# Altium PCB SMT 4.0.PcbDoc (part 3 of 3)
Units mm, origin at the board's own origin, x right, y up, seen from the top; angles counter-clockwise.
Board outline 220 x 90 mm, 2 copper layers (Top Layer, Bottom Layer); 192 components, 69 nets, 761 pads, 236 vias.
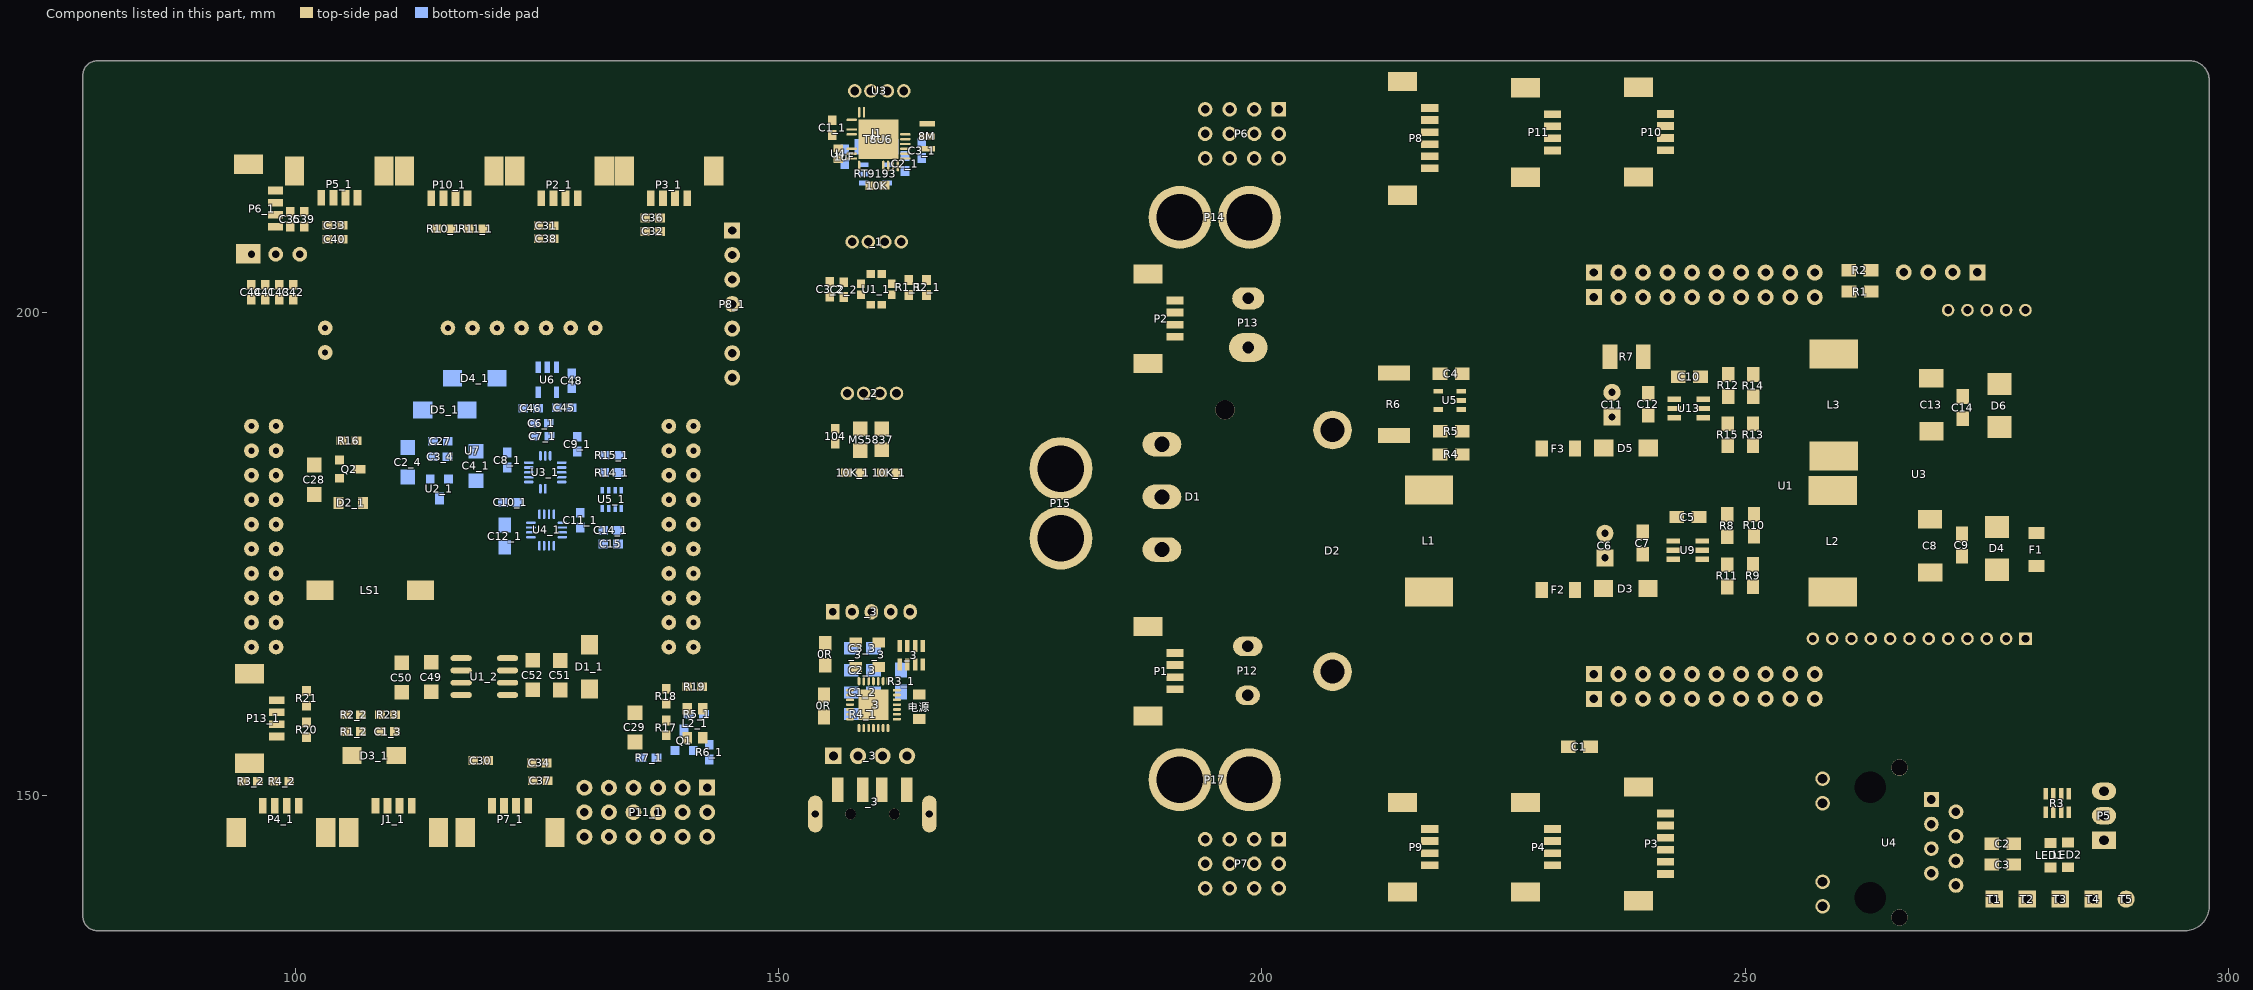
[diagram p3: the components of this part, seen from the top]

## Via types
v1: diameter 0.762, hole 0.381, Top Layer to Bottom Layer, 103 vias
v2: diameter 0.762, hole 0.406, Top Layer to Bottom Layer, 61 vias
v3: diameter 1.27, hole 0.711, Top Layer to Bottom Layer, 49 vias
v4: diameter 0.508, hole 0.254, Top Layer to Bottom Layer, 23 vias

## Nets (pads, with @x,y where several pads share a name; then routed paths per layer and width w, separated by ;. In a path a pad name is that pad's centre, name@x,y a point inside that pad or via, vN(x,y) a via of type N, cw(c..) or ccw(c..) an arc to the next point about the centre after c; other vN are vias at no path point) (continued)
copper on no net: | length 3010.9
  Top Layer w0.254: 95.582,165.316 ccw(c95.582,163.056) 93.321,163.056 93.321,150.737 ccw(c94.413,150.737) 94.413,149.645 96.141,149.645 96.141,151.448 ; 95.582,180.556 ccw(c95.582,181.877) 96.903,181.877 96.903,183.096 ccw(c95.582,183.096) 95.582,184.417 cw(c95.582,185.662) 94.337,185.662 94.337,188.71 cw(c96.877,188.71) 96.877,191.25 104.675,191.25 ccw(c104.675,193.231) 106.656,193.231 106.656,211.256 ccw(c105.876,211.256) 106.428,211.808 ; 95.582,183.096 cw(c95.582,184.874) 93.804,184.874 93.804,189.269 cw(c96.344,189.269) 96.344,191.809 104.599,191.809 ccw(c104.599,193.206) 105.996,193.206 105.996,208.783 ccw(c104.175,208.783) 105.462,210.071 cw(c106.15,210.759) 105.178,210.759 105.178,211.808 ; v1(96.471,211.341) ccw(c96.492,211.341) 96.492,211.32 97.935,211.32 ; 97.813,149.737 97.813,151.419 cw(c97.842,151.419) 97.842,151.448 97.842,152.439 ccw(c97.817,152.439) v1(97.817,152.464) ; 97.935,210.07 cw(c98.675,209.33) 98.675,210.376 99.443,210.376 ; 97.935,212.57 94.651,212.57 ccw(c94.651,211.138) 93.22,211.138 93.22,175.959 ccw(c94.998,175.959) 94.998,174.181 96.776,174.181 cw(c96.776,172.962) 97.995,172.962 ; 97.995,167.882 99.468,167.882 ccw(c99.468,168.771) 100.357,168.771 100.357,186.424 cw(c102.795,186.424) 102.795,188.862 114.632,188.862 ccw(c114.632,191.402) 117.172,191.402 v1(117.172,200.038) ; 98.037,158.513 ccw(c98.218,158.513) 98.218,158.331 100.357,158.331 cw(c100.357,157.544) 101.144,157.544 ; 98.037,159.763 ccw(c98.173,159.763) 98.173,159.627 100.789,159.627 cw(c100.789,159.271) 101.144,159.271 ; 98.122,165.316 100.903,165.316 cw(c100.903,163.754) 102.465,163.754 102.465,157.341 cw(c101.144,157.341) 101.144,156.02 ; 100.56,161.481 101.073,160.969 cw(c100.899,160.795) 101.144,160.795 101.144,163.151 ccw(c100.325,163.151) 100.325,163.97 97.487,163.97 cw(c97.487,164.808) 96.649,164.808 96.649,165.672 cw(c97.538,165.672) 97.538,166.561 127.118,166.561 ccw(c127.118,169.101) 128.914,167.305 136.443,174.834 ccw(c134.647,176.63) 137.187,176.63 137.187,178.093 cw(c138.33,178.093) 138.33,179.236 139.981,179.236 ccw(c139.981,180.556) 141.302,180.556 ; 103.329,207.557 103.329,208.928 ; 103.928,211.808 cw(c102.496,211.808) 103.927,211.782 ccw(c103.902,211.808) 103.938,211.808 ; 104.569,184.71 104.569,186.203 cw(c105.277,186.203) 104.777,186.703 ; 105.259,156.604 ccw(c105.259,155.664) 104.319,155.664 104.319,153.023 ccw(c104.802,153.023) 104.802,152.54 108.485,152.54 cw(c108.485,152.058) 108.968,152.058 108.968,150.369 ccw(c109.323,150.369) 109.323,150.013 cw(c109.323,149.814) 109.523,149.814 109.523,148.95 ; v1@106.274,154.088 108.79,156.604 ; 106.301,186.703 107.004,187.407 cw(c108.801,185.611) 108.801,188.151 v1(117.629,188.151) ; 106.601,183.745 cw(c105.675,182.818) 106.985,182.818 106.985,180.252 112.179,175.058 cw(c110.383,173.262) 112.923,173.262 112.923,171.235 ; 106.783,156.604 106.783,158.331 108.764,158.331 ; v1(108.028,201.207) v1(111.66,201.207) ; v1(108.231,195.847) ccw(c108.328,195.847) 108.328,195.751 v1(112.041,195.751) ; v1(109.45,159.601) ccw(c110.493,159.601) 109.756,158.864 110.288,158.331 110.288,156.63 ccw(c110.314,156.63) 110.314,156.604 ; 114.057,211.782 114.057,213.651 cw(c116.597,213.651) 114.801,215.447 115.64,216.287 cw(c117.437,214.491) 117.437,217.031 124.857,217.031 cw(c124.857,214.491) 126.653,216.287 131.77,211.17 cw(c130.097,209.498) 132.463,209.498 ccw(c135.003,209.498) 133.207,207.702 134.259,206.65 ccw(c136.055,208.446) 136.055,205.906 145.188,205.906 ; 114.581,208.623 114.581,199.556 ccw(c115.775,199.556) 115.775,198.362 ; 115.307,211.782 115.307,212.956 cw(c115.43,212.956) v1(115.343,213.043) ; 116.105,208.623 ccw(c115.014,209.714) 116.557,209.714 116.557,211.782 ; 117.807,208.869 117.807,211.782 ; 118.315,198.362 ccw(c118.315,199.479) 119.432,199.479 119.432,208.623 ; v1(118.67,180.252) 118.67,195.455 cw(c121.21,195.455) 119.414,197.252 120.158,197.995 cw(c120.982,197.171) 120.982,198.336 ; 120.328,148.95 115.068,148.95 cw(c115.068,150.022) 113.997,150.022 113.997,153.836 cw(c116.537,153.836) 116.537,156.376 130.863,156.376 ccw(c130.863,157.885) 132.372,157.885 132.372,162.04 cw(c134.912,162.04) 134.912,164.58 135.968,164.58 ccw(c135.968,165.672) 137.06,165.672 137.06,166.917 cw(c138.025,166.917) 138.025,167.882 138.635,167.882 ; v1@121.388,157.188 130.354,157.188 ccw(c130.354,158.738) 131.904,158.738 131.904,162.624 cw(c134.444,162.624) 134.444,165.164 135.688,165.164 ccw(c135.688,166.028) 136.552,166.028 136.552,168.339 cw(c138.635,168.339) 138.635,170.422 ; v1(121.998,195.751) 145.188,195.751 ; v1@122.252,188.176 138.762,188.176 ; v1(124.335,173.597) 121.954,175.977 cw(c123.75,177.773) 121.21,177.773 121.21,189.105 cw(c123.75,189.105) 121.954,190.902 124.784,193.732 cw(c126.581,191.936) 126.581,194.476 v1(141.607,194.476) ; v1@125.173,180.15 125.173,181.75 cw(c125.909,181.75) 125.909,182.487 v1(128.526,182.487) cw(c128.526,182.69) 128.322,182.69 v1(128.322,185.662) 131.015,185.662 ; 126.695,207.584 126.697,207.582 ; v1(126.722,180.15) 128.627,180.15 ccw(c128.627,181.064) 129.542,181.064 129.542,182.792 cw(c130.126,182.792) 130.126,183.376 138.762,183.376 138.787,183.35 ; v1(126.9,186.221) 125.969,186.221 ccw(c125.969,184.637) 124.385,184.637 124.385,179.82 ccw(c126.925,179.82) 126.925,177.28 v1(129.516,177.28) 132.894,177.28 ccw(c132.894,178.143) 133.758,178.143 v1(133.758,178.575) ; 127.945,211.782 ccw(c127.945,211.731) 127.894,211.731 127.894,200.044 ccw(c130.31,200.044) 128.602,198.336 ; v1(128.78,179.261) 128.78,178.855 ccw(c129.567,178.855) 129.567,178.067 131.624,178.067 ccw(c131.624,179.388) 132.945,179.388 132.945,180.506 cw(c134.215,180.506) v1(134.215,181.776) v1@134.215,181.741 ; v1@128.983,168.491 v1@129.237,168.491 ; v1(129.059,168.745) 135.452,175.139 ccw(c133.656,176.935) 136.196,176.935 136.196,178.016 cw(c138.736,178.016) 138.736,180.556 138.762,180.556 ; 129.195,211.782 cw(c129.195,209.836) 131.142,209.836 131.142,198.336 ; v1@130.659,178.728 v1(130.659,182.563) ; 131.828,185.662 131.015,185.662 ; v1(131.955,184.265) 131.955,184.722 ccw(c131.015,184.722) 131.015,185.662 ; v1(132.336,200.089) 143.39,200.089 cw(c143.39,198.291) 145.188,198.291 ; v1(132.336,201.207) 144.807,201.207 145.188,200.826 ; v1@134.444,167.806 ccw(c134.444,167.831) v1(134.469,167.831) 134.469,168.768 cw(c135.463,168.768) 135.463,169.761 ccw(c135.463,170.952) 136.654,170.952 136.654,172.416 cw(c138.343,172.416) 138.343,174.105 138.711,174.105 cw(c138.711,172.911) 139.905,172.911 139.905,166.612 ccw(c141.175,166.612) 141.175,165.342 ; 134.85,158.56 135.13,158.56 ; 134.977,151.049 cw(c134.977,152.7) 133.326,152.7 133.326,161.386 cw(c135.504,161.386) 135.504,163.564 142.064,163.564 ccw(c142.064,164.377) 142.877,164.377 142.877,172.251 ccw(c142.191,172.251) 142.191,172.936 141.302,172.936 ; 135.13,155.512 ccw(c136.785,157.168) 136.785,154.826 141,154.826 ccw(c141,155.966) 142.14,155.966 cw(c142.905,155.966) 142.905,156.731 v1(143.156,156.731) ; 137.517,151.049 137.517,151.88 ccw(c135.46,151.88) 135.46,153.937 134.799,153.937 cw(c134.799,154.877) 133.86,154.877 133.86,161.532 cw(c135.256,161.532) 135.256,162.929 142.089,162.929 ccw(c142.089,164.224) 143.385,164.224 143.385,174.486 ccw(c142.419,174.486) 142.419,175.451 141.327,175.451 cw(c141.327,175.476) 141.302,175.476 ; v1(137.644,157.773) ccw(c137.67,157.773) 137.67,157.747 138.355,157.747 ; v1(137.644,159.398) cw(c137.746,159.398) 137.746,159.5 138.355,159.5 ; v1(137.847,193.612) ccw(c137.909,193.673) 137.909,193.587 142.304,193.587 cw(c142.304,192.633) 142.978,193.307 ccw(c143.199,193.528) 143.199,193.216 145.188,193.216 ; 138.355,156.223 138.612,155.966 140.54,155.966 ; 138.355,161.024 140.54,158.966 ; 138.762,175.476 cw(c140.032,175.476) 140.032,176.746 141.429,176.746 ccw(c141.429,178.804) 143.486,178.804 ccw(c143.486,178.855) 143.537,178.855 143.537,191.91 ccw(c142.597,191.91) 142.597,192.85 v1(139.371,192.85) ; 139.274,211.782 139.274,210.144 ccw(c139.371,210.144) v1(139.371,210.046) ; v1(140.489,162.141) 140.489,161.303 ccw(c140.54,161.303) 140.54,161.252 ; 140.524,211.782 ccw(c140.99,211.782) 140.99,211.316 v1(141.048,211.316) ; 141.175,188.202 141.874,188.202 cw(c141.874,187.504) 142.572,187.504 142.572,182.944 cw(c141.505,182.944) 141.505,181.877 134.469,181.877 ccw(c134.469,181.572) v1@134.215,181.741 ; v1(141.607,203.34) cw(c141.632,203.34) 141.632,203.366 145.188,203.366 ; 142.064,161.252 142.14,161.176 142.14,158.966 ; 154.676,158.106 154.126,157.556 154.126,153.177 154.681,152.621 157.644,152.621 158.675,151.59 158.675,150.583 ; 154.775,160.425 v4@155.945,161.595 ; 154.803,163.458 154.243,163.458 153.55,162.764 153.55,151.572 155.056,150.066 155.056,147.992 156.35,146.697 158.889,146.697 160.675,148.483 160.675,150.583 ; 154.803,165.744 154.803,165.488 156.059,164.232 v4(156.059,162.923) ; v4@154.841,151.625 155.884,150.583 156.119,150.583 ; 154.86,219.346 ccw(c155.64,218.567) 154.538,218.567 154.538,216.65 ccw(c156.314,216.65) 154.853,215.64 ccw(c156.314,216.65) 155.058,215.394 157.419,213.032 158.046,213.032 158.849,212.23 161.533,212.23 161.981,212.678 162.692,212.678 163.097,213.084 163.097,215.892 ; 154.861,219.346 155.399,219.885 ; 155.261,201.582 156.404,200.439 157.851,200.439 158.512,201.1 158.512,201.785 158.512,202.928 ; v4(155.396,215.95) ccw(c155.711,216.265) 155.711,215.82 156.163,215.82 ; 155.54,218.327 156.113,217.754 160.185,217.754 ; 155.54,219.851 155.581,219.892 ; 155.596,168.887 155.967,168.516 155.967,165.942 156.929,164.98 159.299,164.98 160.345,163.934 160.345,163.267 160.317,163.295 157.968,163.295 ; 155.835,186.411 156.75,186.411 158.274,187.935 158.461,187.935 158.782,188.255 158.782,191.593 ; 155.835,187.935 v4(155.835,189.103) ; 155.847,214.68 157.075,214.68 157.547,215.152 157.547,215.892 ; 155.851,154.483 155.705,154.628 155.705,160.379 156.903,161.577 156.903,163.995 157.362,164.453 158.646,164.453 v4(158.96,164.139) ; 156.163,216.937 156.209,216.892 157.547,216.892 ; v2(156.175,204.427) 155.261,203.513 155.261,203.106 156.734,201.633 156.734,201.557 ; v4@156.524,218.354 156.562,218.392 157.547,218.392 ; v4@156.632,219.076 156.817,218.892 157.547,218.892 ; 156.734,203.081 158.359,203.081 158.512,202.928 ; 156.953,183.388 156.953,182.55 157.842,181.661 161.677,181.661 162.185,182.169 162.185,183.363 ; 157.1,221.442 157.131,221.442 ; 157.105,191.593 154.134,188.621 154.134,186.005 155.302,184.836 157.649,184.836 158.461,185.649 158.461,183.404 158.477,183.388 ; v4(157.305,214.048) 157.934,214.048 158.322,214.436 158.322,215.117 ; 157.375,158.889 156.816,158.889 156.62,158.693 156.62,157.223 158.205,155.639 159.075,155.639 160.23,154.483 160.931,154.483 ; 157.375,159.389 156.417,159.389 156.163,159.135 156.163,156.907 158.391,154.678 158.391,154.483 ; 157.547,216.392 158.822,216.392 159.031,216.601 ; 157.547,219.892 155.581,219.892 ; 157.596,168.887 157.596,168.386 158.722,167.26 162.169,167.26 163.313,166.116 163.313,165.468 ; 157.597,207.272 154.372,204.046 154.372,200.82 155.769,199.423 159.96,199.423 160.671,200.134 160.671,200.769 164.278,200.769 165.294,201.785 ; 157.939,221.442 157.131,221.442 ; 157.968,165.835 158.088,165.835 158.943,166.69 161.294,166.69 161.958,166.026 161.958,162.801 162.509,162.25 163.131,162.25 163.313,162.433 163.313,163.548 ; 158.322,220.667 158.822,220.667 159.815,220.667 160.322,220.16 160.322,217.892 ; 159.274,207.272 158.512,206.51 158.512,202.928 ; 159.3,156.964 159.3,158.889 159.8,159.389 ; v2(159.528,205.392) 159.528,203.944 160.671,203.944 160.976,204.249 160.976,207.272 ; 159.551,213.053 159.489,213.053 159.083,213.458 159.083,216.653 160.185,217.754 ; 159.596,168.887 160.745,167.738 162.542,167.738 164.113,166.167 164.113,165.468 ; 159.8,156.964 159.8,156.014 v4(159.867,155.947) ; v4(159.889,214.055) 159.889,214.6 160.406,215.117 160.822,215.117 ; 160.3,156.964 160.3,156.367 160.998,155.669 162.249,155.669 163.259,156.68 v4(163.476,156.68) ; 160.345,165.807 161.31,164.842 161.31,162.803 162.32,161.793 163.524,161.793 164.113,162.383 164.113,163.548 ; v4(160.642,214.055) 160.872,214.055 161.322,214.505 161.322,215.117 ; 160.661,183.363 160.661,185.735 162.185,187.259 162.185,191.593 ; 160.661,187.935 160.484,188.113 160.484,191.593 160.661,191.415 ; 160.8,156.964 160.83,156.934 160.83,156.484 161.137,156.177 161.93,156.177 v4(162.591,156.838) ; 160.937,213.134 160.979,213.176 ; 161.019,213.058 161.013,213.074 160.988,213.151 160.979,213.176 ; 161.242,222.884 161.242,221.291 161.604,220.929 163.196,220.929 163.954,220.171 163.954,218.821 164.278,218.497 ; 161.3,156.964 161.805,156.964 162.225,157.384 162.225,157.889 164.532,157.889 164.55,157.907 164.55,156.426 163.713,155.589 162.981,155.589 162.006,154.613 162.006,152.442 163.231,151.217 163.231,150.583 164.574,150.583 165.973,151.981 165.973,166.606 163.589,168.99 ; 161.589,168.99 162.032,168.99 164.913,166.108 164.913,165.468 165.515,164.866 165.515,157.262 165.513,157.26 165.513,155.723 163.872,154.082 163.279,154.082 ; 161.687,201.785 162.563,201.785 ; 161.822,215.117 161.822,214.019 160.979,213.176 ; 161.882,216.302 cw(c160.82,215.24) 162.322,215.24 162.322,215.117 162.322,214.6 ; v4@161.928,221.587 164.487,221.587 165.359,220.714 165.359,219.498 ; 162.225,158.389 162.962,158.389 163.422,158.849 v4(163.422,159.042) ; 162.225,159.389 162.888,159.389 163.46,159.961 163.46,161.04 163.997,161.578 v4(164.087,161.488) ; 162.677,207.272 162.563,207.158 162.563,201.785 ; 163.097,216.392 163.985,216.392 164.553,215.823 v4(164.553,214.977) ; 163.097,216.892 165.353,216.892 165.359,216.898 ; 163.097,217.392 164.062,217.392 v4(164.204,217.534) ; 163.097,218.392 163.097,219.976 162.619,220.454 161.038,220.454 159.54,221.951 159.54,222.884 158.459,221.802 157.492,221.802 157.131,221.442 ; 163.439,201.785 162.563,201.785 ; v2(163.439,204.884) 163.439,203.309 165.294,203.309 ; 164.55,160.447 164.913,160.81 164.913,163.548 ; 165.359,218.173 164.602,218.173 164.278,218.497 ; v1@134.215,181.741 ccw(c134.469,181.572) 134.164,181.572 134.215,181.623 v1@134.215,181.741 ; 155.581,219.892 157.131,221.442 ; 160.185,217.754 160.322,217.892 ; 160.322,217.892 163.097,217.892 163.673,217.892 164.278,218.497
  Top Layer w0.381: 94.972,208.081 94.999,208.108 cw(c96.796,206.312) 95.728,208.617 ccw(c97.995,207.471) 95.455,207.471 95.455,205.982 ; 99.443,208.852 100.89,208.852 103.145,208.852 ccw(c103.145,209.112) 103.329,208.928 ; 100.355,148.95 105.34,148.95 cw(c105.34,147.59) 106.301,148.552 107.196,147.657 ccw(c107.978,148.44) 107.978,147.333 109.984,147.333 ccw(c109.984,148.095) 110.746,148.095 110.746,148.923 cw(c110.773,148.923) 110.773,148.95 cw(c112.392,148.95) 111.247,150.095 111.268,150.116 ccw(c110.813,150.572) 111.457,150.572 111.457,159.564 ccw(c109.896,159.564) 111,160.668 ; 103.938,211.808 v1(103.938,213.094) ; v1(118.747,167.729) 118.874,167.729 ccw(c118.874,168.999) 120.144,168.999 v1(120.144,184.036) 120.144,195.873 cw(c121.183,195.873) 120.15,195.991 cw(c121.183,195.873) 121.183,196.913 cw(c121.423,195.604) 121.423,196.935 ccw(c121.423,197.611) 122.099,197.611 122.099,198.946 cw(c122.709,198.946) 122.709,199.556 124.436,199.556 cw(c124.436,199.225) v1(124.766,199.225) ; 119.915,153.607 cw(c119.915,153.175) 120.347,153.175 v1(120.347,151.042) ; 124.078,148.95 cw(c124.671,148.95) 124.671,149.543 ; 124.208,149.543 124.671,149.543 ; 125.986,153.353 cw(c125.986,153.328) 126.011,153.328 126.011,149.543 ; 126.695,207.584 126.695,211.782 ; 137.72,208.344 ccw(c137.72,208.647) 138.024,208.647 138.024,211.782 ; v1(138.025,212.941) cw(c138.381,212.941) 138.381,213.297 140.743,213.297 cw(c140.743,211.9) 142.14,211.9 142.14,210.909 ccw(c144.604,210.909) 144.604,208.446 145.188,208.446 ; 140.057,148.255 ccw(c138.769,148.255) 138.769,149.543 126.011,149.543 ; 124.671,149.543 126.011,149.543
  Top Layer w0.508: 95.429,201.308 96.877,201.308 98.325,201.308 99.773,201.308 102.313,201.308 ccw(c102.313,203.848) 104.853,203.848 104.853,207.557 104.853,208.979 104.853,209.425 ccw(c103.928,209.425) 103.928,210.351 ; 95.582,188.176 95.582,188.735 cw(c96.928,188.735) 96.928,190.081 v1(99.925,190.081) 110.72,190.081 ccw(c110.72,192.621) 113.26,192.621 v1@113.26,210.605 ; 99.443,210.376 100.89,210.376 103.902,210.376 cw(c103.902,210.351) 103.928,210.351 ; 101.957,184.189 103.34,183.456 104.569,182.805 ; 103.928,211.808 103.928,211.782 103.928,210.351 ; v1(107.952,183.579) 113.605,183.579 ccw(c113.605,186.119) 115.401,184.323 v1(116.181,185.103) cw(c117.299,185.103) 117.299,186.221 v1(117.807,186.221) ; 112.023,148.95 112.023,146.641 ccw(c112.085,146.641) v1(112.041,146.597) ; 113.311,211.036 cw(c114.057,211.036) 114.057,211.782 ; v1@116.689,154.801 v1@116.842,154.801 ; v1@116.816,154.826 ccw(c116.842,154.826) v1@116.842,154.801 ; v1(119.636,157.595) 121.606,159.565 ccw(c120.782,160.389) 121.947,160.389 ; v1@122.828,148.95 122.828,150.828 cw(c123.525,150.828) 123.525,151.524 124.563,151.524 cw(c124.563,151.626) 124.462,151.626 124.462,153.353 ; v1(124.766,199.225) 126.095,200.554 ccw(c125.011,201.638) 126.544,201.638 v1(126.544,207.049) ; 125.986,153.353 ccw(c124.538,153.353) 124.538,154.801 v1@116.842,154.801 ; 140.057,148.255 142.597,148.255
  Top Layer w0.635: 95.252,153.328 cw(c97.459,153.328) 95.898,154.889 96.433,155.424 cw(c98.062,153.795) 98.062,156.098 98.622,155.538 cw(c96.826,153.742) 99.366,153.742 99.366,151.448 99.958,150.856 cw(c99,149.899) 100.355,149.899 100.355,148.95
  Top Layer w0.762: 94.617,151.448 94.617,151.795 cw(c96.785,151.795) 95.252,153.328 ; 101.957,181.141 101.957,180.277 ; 102.523,171.235 cw(c103.889,172.601) 101.957,172.601 101.957,180.277 ; 104.421,180.252 102.019,180.252 cw(c102.019,180.338) 101.957,180.277 ; 105.259,158.331 105.259,161.176 cw(c107.799,161.176) 107.799,163.716 111,163.716 117.071,163.716 117.071,162.903 ; v1(108.333,161.151) ccw(c109.498,162.316) 109.498,160.668 111,160.668 ; 117.419,164.522 cw(c119.215,162.726) 119.215,165.266 122.216,165.266 cw(c122.216,162.726) 124.012,164.522 124.563,163.97 127.383,163.97 cw(c127.383,163.945) 127.408,163.945 128.343,164.88 cw(c130.139,163.084) 130.139,165.624 130.583,165.624 cw(c133.091,165.624) 131.318,167.397 v1@135.333,171.412 ; 125.173,207.582 v1(125.173,208.242) 125.173,208.928 125.173,211.51 cw(c125.445,211.51) 125.445,211.782 ; v1(135.587,208.242) 135.951,208.242 ccw(c135.951,208.589) 136.196,208.344 136.196,209.741 136.196,211.205 cw(c136.774,211.205) 136.774,211.782
  Bottom Layer w0.254: 95.455,170.422 cw(c95.455,172.352) 93.524,172.352 93.524,198.667 cw(c96.064,198.667) 96.064,201.207 v1(108.028,201.207) ; 95.582,167.856 ccw(c95.582,165.621) 93.347,165.621 93.347,155.004 ccw(c95.887,155.004) 95.887,152.464 v1(97.817,152.464) ; v1(96.471,211.341) cw(c96.471,211.392) 96.42,211.392 96.42,212.789 cw(c97.512,212.789) 97.512,213.881 138.203,213.881 cw(c138.203,212.662) 139.422,212.662 139.422,212.398 ccw(c141.85,212.398) 139.868,210.996 142.158,208.706 cw(c140.362,206.909) 142.652,208.008 cw(c140.362,206.909) 142.902,206.909 142.902,185.749 cw(c140.362,185.749) 142.158,183.953 141.302,183.096 ; 96.776,181.75 cw(c98.122,181.75) 98.122,183.096 ; 96.801,181.75 96.801,180.531 ccw(c98.071,180.531) 98.071,179.261 99.356,179.261 cw(c99.356,176.721) 101.152,178.517 121.965,157.704 ccw(c123.761,159.5) 123.761,156.96 126.788,156.96 cw(c126.788,154.42) 128.584,156.216 129.153,155.646 cw(c127.357,153.85) 129.897,153.85 129.897,150.795 ; 97.995,170.422 cw(c97.995,171.692) 96.725,171.692 96.725,173.19 ccw(c95.709,173.19) 95.709,174.206 95.379,174.206 cw(c95.379,175.476) 94.109,175.476 94.109,189.269 cw(c96.649,189.269) 96.649,191.809 104.192,191.809 ccw(c104.192,194.069) 106.453,194.069 cw(c108.231,194.069) v1(108.231,195.847) ; 97.995,178.042 98.975,178.042 cw(c98.975,175.502) 100.771,177.298 108.808,169.261 cw(c107.257,167.71) 109.45,167.71 v1(109.45,159.601) ; 98.122,180.556 98.949,180.556 cw(c98.949,178.016) 100.745,179.812 121.66,158.898 ccw(c123.456,160.694) 123.456,158.154 127.321,158.154 cw(c127.321,155.614) 129.117,157.41 131.693,154.834 cw(c129.897,153.037) 132.437,153.037 132.437,150.795 ; 98.122,185.636 97.532,186.226 cw(c99.328,188.022) 96.788,188.022 96.788,188.458 cw(c99.328,188.458) 97.532,190.254 cw(c99.14,188.647) 99.14,190.92 102.084,190.92 cw(c102.084,189.599) 103.405,189.599 v1(103.405,183.579) ; v1(111.66,201.207) v1(132.336,201.207) ; 111.787,186.627 113.159,186.627 ; v1(112.041,195.751) v1(121.998,195.751) ; 113.156,189.396 113.156,186.63 113.159,186.627 ; 113.156,190.615 cw(c115.696,190.615) 115.696,193.155 116.257,193.155 ; 113.946,182.741 115.347,184.142 ccw(c114.436,185.052) 115.724,185.052 ccw(c115.54,185.052) 115.67,185.182 114.225,186.627 113.159,186.627 ; 115.851,182.741 ccw(c116.029,182.741) 116.029,182.563 117.172,182.563 ; v1(117.172,200.038) cw(c117.223,200.038) 117.223,200.089 v1(132.336,200.089) ; v1(117.629,188.151) v1(122.252,188.151) ; 117.756,189.878 117.502,189.878 ccw(c117.502,188.126) 115.749,188.126 115.749,186.627 cw(c115.749,185.205) 117.172,185.205 117.172,182.563 ; v1(118.67,180.252) 118.67,170.28 ccw(c121.21,170.28) 119.414,168.484 120.111,167.788 ccw(c121.907,169.584) 121.907,167.044 130.42,167.044 cw(c130.42,164.504) 132.216,166.3 135.071,163.444 cw(c133.275,161.648) 135.815,161.648 135.815,153.886 ; v1@119.686,165.545 v1@119.864,165.367 ; v1@120.144,178.677 120.144,177.204 ccw(c121.668,177.204) 121.668,175.68 121.955,175.967 cw(c123.751,174.171) 123.751,176.711 124.357,176.711 124.921,176.711 ccw(c124.921,177.166) 125.376,177.166 125.376,177.356 ccw(c125.047,177.356) 125.047,177.685 124.466,177.685 ; v1@120.144,178.982 cw(c121.464,178.982) 121.464,180.302 ; 120.857,193.155 122.612,193.155 cw(c122.612,190.615) 124.408,192.411 125.122,191.697 125.122,190.117 cw(c125.035,190.117) 125.097,190.056 125.909,189.244 cw(c125.172,188.507) 126.214,188.507 126.214,187.319 ccw(c126.474,187.319) 126.29,187.135 ; v1(121.363,157.188) cw(c121.363,156.858) 121.693,156.858 v1@121.693,148.629 ; v1(121.464,165.469) 129.099,165.469 cw(c129.099,162.929) 130.895,164.725 133.954,161.666 cw(c132.158,159.87) 134.698,159.87 v1(134.698,159.398) ; 121.668,177.966 122.155,177.966 cw(c122.155,176.752) 123.014,177.61 ccw(c124.039,178.635) 124.039,177.185 124.466,177.185 ; 121.896,185.459 125.274,185.459 ; 123.573,190.056 ccw(c124.615,190.056) 123.878,189.319 124.69,188.507 124.69,187.211 ccw(c124.766,187.211) 124.766,187.135 124.766,186.83 ccw(c125.503,186.83) 125.503,186.094 cw(c125.503,185.75) 125.847,185.75 125.847,185.128 ; 124.145,183.907 124.272,183.907 ; 124.272,182.407 124.272,183.907 ; 124.297,182.407 ccw(c124.847,182.407) 124.847,181.857 125.347,181.857 ; 124.297,184.407 124.297,183.907 ; v1(124.335,173.597) 127.651,173.597 cw(c127.651,171.057) 129.447,172.853 v1(134.469,167.831) ; 125.122,194.288 125.122,193.523 ccw(c125.668,193.523) 125.668,192.977 126.317,192.977 ccw(c126.317,193.662) 127.002,193.662 127.002,194.288 127.926,194.288 cw(c127.926,193.637) 128.576,193.637 ; 125.185,195.72 125.605,195.72 cw(c125.605,195.263) 126.062,195.263 126.062,194.288 ; 125.234,179.088 125.234,180.038 ccw(c125.173,180.038) v1(125.173,180.099) ccw(c124.97,180.099) 124.97,180.302 122.988,180.302 122.988,180.582 ccw(c121.007,180.582) 121.007,182.563 118.67,182.563 117.172,182.563 ; 125.859,184.957 125.859,184.417 cw(c125.348,184.417) 125.348,183.907 124.297,183.907 ; 126.347,184.957 126.347,185.128 126.347,186.221 ; 126.347,187.135 126.347,186.221 ; 126.716,178.935 126.716,180.15 v1(126.722,180.15) ; v1(126.9,186.221) 126.347,186.221 ; 127.002,191.697 127.002,190.168 ccw(c127.088,190.168) 127.027,190.107 ; 127.397,182.407 127.397,182.487 ; 127.397,182.907 127.397,182.487 ; 127.397,184.407 cw(c128.575,184.407) 128.575,185.586 129.161,185.586 cw(c129.237,185.586) 129.237,185.662 v1(128.322,185.662) ; 127.466,177.685 129.439,177.685 ccw(c129.439,177.712) 129.465,177.712 cw(c129.491,177.712) 129.491,177.737 ; 127.542,178.185 127.542,180.776 ccw(c127.026,180.776) 127.026,181.293 126.949,181.293 cw(c126.949,181.774) 126.468,181.774 126.468,183.35 cw(c127.025,183.35) 127.025,183.907 129.897,183.907 ; 127.549,183.426 128.602,183.426 cw(c128.602,182.715) 129.313,182.715 129.313,181.09 ccw(c129.948,181.09) 129.948,180.455 131.878,180.455 ccw(c131.878,180.987) 132.41,180.987 132.41,181.58 132.41,181.952 cw(c132.945,181.952) 132.945,182.487 ccw(c132.945,183.02) 133.479,183.02 133.479,183.401 138.026,183.401 ; v1(128.526,182.487) 127.397,182.487 ; 128.551,190.107 cw(c127.079,188.635) 128.576,190.081 ; v1(129.059,168.745) 130.42,168.745 cw(c130.42,166.205) 132.216,168.001 135.579,164.638 cw(c133.783,162.842) 136.323,162.842 136.323,157.239 ccw(c137.111,157.239) 137.111,156.452 139.973,156.452 ccw(c139.973,156.676) 140.197,156.676 140.197,157.065 cw(c142.06,157.065) 140.743,158.382 ; 129.465,179.236 ccw(c129.688,179.236) 129.688,179.013 ; v1(130.659,159.855) 130.659,158.928 ccw(c133.592,158.928) 133.592,155.995 v1(134.774,155.995) ; v1(130.659,182.563) cw(c131.497,182.563) 131.497,183.401 131.955,183.401 v1(131.955,184.265) 131.955,185.179 cw(c131.98,185.179) 131.98,185.205 ; 131.76,181.58 130.397,181.58 cw(c130.397,182.106) 129.872,182.106 129.872,183.882 cw(c129.897,183.882) 129.897,183.907 ; 131.853,176.01 131.853,177.407 132.328,177.882 ccw(c130.534,179.675) 133.071,179.675 cw(c134.336,179.675) 133.441,180.57 133.529,180.658 ccw(c133.067,181.121) 133.721,181.121 133.721,181.572 ; 132.41,179.675 132.41,179.463 cw(c131.624,179.463) 131.624,178.677 130.812,178.677 cw(c130.812,178.728) 130.761,178.728 130.761,175.781 ccw(c131.421,175.781) 131.421,175.121 132.945,175.121 ccw(c132.945,175.553) 133.377,175.553 133.377,176.01 ; 133.377,177.407 ccw(c132.546,178.237) 133.721,178.237 133.721,179.675 ; 133.504,185.205 133.504,186.754 ; 133.529,186.881 140.159,186.881 cw(c140.159,185.738) 141.302,185.738 141.302,185.636 ; 137.339,153.886 140.057,151.169 140.057,151.049 ; v1(137.644,157.773) 137.441,157.773 cw(c137.441,158.331) 136.882,158.331 136.882,159.768 cw(c139.422,159.768) 137.626,161.565 139.364,163.302 ccw(c137.691,164.976) 140.057,164.976 140.057,166.002 cw(c141.529,166.002) 140.488,167.043 141.302,167.856 ; v1(137.644,159.398) cw(c138.889,159.398) 138.889,160.643 140.921,160.643 ccw(c140.921,163.183) 143.461,163.183 143.461,168.237 ccw(c141.302,168.237) 141.302,170.396 ; v1(137.847,193.612) 137.847,212.665 cw(c138.454,212.665) v1@138.025,213.094 ; 138.762,172.936 138.762,173.013 cw(c139.93,173.013) 139.93,174.181 141.734,174.181 ccw(c141.734,175.883) 143.435,175.883 143.435,208.928 ccw(c141.048,208.928) v1(141.048,211.316) ; 138.762,183.096 ccw(c138.026,182.361) 138.026,183.401 ; 138.762,183.401 138.026,183.401 ; 138.762,185.636 cw(c138.762,184.366) 140.032,184.366 140.032,183.046 cw(c138.813,183.046) 138.813,181.826 138.686,181.826 ccw(c138.686,180.658) 137.517,180.658 137.517,172.86 ccw(c138.762,172.86) 138.762,171.616 138.838,171.616 cw(c138.838,170.371) 140.083,170.371 ccw(c141.327,170.371) 141.327,169.126 cw(c141.327,167.704) 142.75,167.704 142.75,164.402 cw(c140.489,164.402) v1(140.489,162.141) ; 139.258,154.644 139.258,153.873 ccw(c140.108,153.873) 140.108,153.023 cw(c140.108,151.829) 141.302,151.829 141.302,145.969 ; v1(139.371,192.85) v1(139.371,210.046) ; 141.163,154.644 cw(c142.583,153.224) 142.583,155.233 142.826,155.233 ; 141.302,188.176 141.302,188.202 ; v1(141.607,194.476) v1(141.607,203.34) ; 142.267,158.382 cw(c142.267,157.493) 143.156,157.493 v1(143.156,156.731) ; 142.597,151.049 142.597,153.48 142.826,153.709 ; v4(154.82,151.662) 154.176,152.306 154.176,156.063 ; v4(155.396,215.95) 155.781,215.565 cw(c155.539,215.323) 155.881,215.323 155.881,214.838 156.672,214.048 v4(157.305,214.048) ; 155.589,168.99 155.589,168.526 157.386,166.728 158.31,166.728 159.803,165.236 163.138,165.236 164.674,163.7 164.674,158.162 164.1,157.588 163.342,157.588 v4(162.591,156.838) ; 155.659,154.082 159.095,150.646 162.621,150.646 166.181,154.207 166.181,166.009 163.589,168.601 163.589,168.99 ; v4(155.835,189.103) 158.096,189.103 160.484,191.491 160.484,191.593 ; v4(155.944,161.612) 155.944,157.9 156.54,157.304 158.51,157.304 v4(159.867,155.947) ; v4(156.059,162.923) 155.233,162.097 155.233,157.581 156.017,156.797 158.078,156.797 159.517,155.358 160.171,155.358 160.99,156.177 162.973,156.177 v4(163.476,156.68) ; v2@156.137,204.465 157.064,205.392 v2(159.528,205.392) ; v4(156.517,218.369) 156.158,218.369 155.812,218.715 155.812,219.446 156.356,219.991 159.683,219.991 160.757,218.916 160.757,217.099 ; 156.618,221.022 cw(c156.571,221.07) 156.571,221.003 ; v4(156.625,219.163) 158.482,219.163 159.507,218.138 159.507,217.099 ; 157.026,215.541 156.729,215.244 156.897,215.244 156.818,215.323 156.942,215.323 157.089,215.176 ; 157.288,215.244 157.904,215.86 161.601,215.86 162.007,216.266 162.007,217.099 ; 157.541,158.408 157.541,160.621 157.517,160.645 ; 157.589,168.99 160.181,166.398 163.005,166.398 165.131,164.272 165.131,157.509 163.294,155.672 162.12,155.672 160.931,154.483 ; 157.863,222.884 157.536,222.884 154.797,220.145 154.797,215.683 155.413,215.067 155.413,214.646 156.633,213.426 157.436,213.426 158.266,212.596 159.413,212.596 159.889,213.072 v4(159.889,214.055) ; 158.199,154.082 158.199,153.444 159.969,151.675 162.624,151.675 164.821,153.872 164.821,155.837 165.682,156.698 165.682,164.823 163.157,167.347 161.231,167.347 159.589,168.99 ; 158.2,154.082 158.2,154.19 ; 158.257,217.099 157.06,217.099 156.729,216.768 156.416,216.768 155.35,217.834 155.35,219.782 156.571,221.003 ; 158.513,213.314 157.932,213.896 157.932,214.333 157.089,215.176 ; v4(158.519,160.498) 158.371,160.645 157.517,160.645 ; 158.542,213.343 158.809,213.343 ; 158.776,214.245 159.18,214.649 162.885,214.649 163.188,214.346 ; 158.782,191.593 157.105,189.916 155.429,189.916 154.311,188.799 154.311,186.995 v4(159.62,181.687) ; 158.809,213.276 158.843,213.276 ; 158.843,215.176 157.089,215.176 ; v4(158.96,164.139) 159.803,163.296 159.803,162.941 ; 159.274,207.272 161.661,204.884 v2(163.439,204.884) ; 159.803,160.645 159.803,162.941 ; 159.827,158.408 160.08,158.155 163.482,158.155 164.087,158.76 v4(164.087,161.488) ; v4(160.642,214.055) 162.037,214.055 162.471,213.621 164.024,213.621 165.764,215.36 165.764,216.237 166.045,216.518 166.045,219.782 162.943,222.884 162.943,222.555 ; 161.243,213.276 162.072,213.276 v4(162.671,212.676) ; 161.243,215.176 161.837,215.176 162.797,216.136 163.063,216.136 ; v4(161.887,221.526) 163.487,219.927 163.487,217.239 163.946,216.78 163.946,215.308 164.277,214.977 v4(164.553,214.977) ; 162.655,160.689 163.422,159.922 v4(163.422,159.042) ; 162.655,162.975 162.62,162.941 159.803,162.941 ; 163.28,154.19 161.588,152.498 160.413,152.498 159.483,153.428 159.483,154.601 158.021,156.063 154.177,156.063 ; 164.676,217.601 164.801,217.476 ; 164.729,215.888 164.729,215.929 165.583,216.782 165.583,218.7 161.4,222.884 161.242,222.884 159.361,221.003 156.571,221.003 ; 124.272,183.907 124.297,183.907 ; 129.897,183.907 ccw(c129.897,184.034) 130.024,184.034 130.024,185.713 cw(c131.091,185.713) 131.091,186.779 133.529,186.779 ; 133.504,186.754 cw(c133.529,186.754) 133.529,186.779 ; 133.504,186.754 cw(c133.529,186.754) 133.529,186.779 ; 154.177,156.063 154.177,157.933 154.176,163.247 156.165,165.236 157.517,165.236 157.517,162.941 157.517,160.645
  Bottom Layer w0.381: 102.643,209.004 v1(102.643,212.383) ; v1(103.938,213.094) v1@115.22,213.094 ; v1(104.421,180.683) cw(c104.482,180.622) v1@104.482,180.709 ; v1(104.7,158.611) 105.709,157.602 cw(c103.913,155.806) 106.453,155.806 v1(106.453,154.242) ; 111.609,182.944 114.2,185.052 ; v1(112.574,163.589) cw(c112.574,162.192) 113.971,162.192 113.971,146.03 ; v1(115.343,213.043) ccw(c115.22,212.92) v1@115.22,213.094 ; 118.67,185.611 ccw(c120.355,185.611) 120.355,183.926 124.145,183.926 ; 124.145,184.426 124.145,183.926 ; v1(124.766,199.225) 124.766,196.279 ccw(c125.444,196.279) 124.888,195.892 ccw(c125.444,196.279) 124.965,195.8 ; 125.313,181.724 125.243,181.724 ccw(c125.243,181.668) 125.187,181.668 cw(c125.187,182.711) 124.145,182.711 124.145,182.926 124.145,183.426 124.145,183.907 124.145,183.926 ; 129.161,187.11 cw(c129.161,187.694) 128.576,187.694 128.576,190.081 128.576,192.113 138.762,192.113 cw(c138.762,189.573) 141.302,189.573 141.302,188.202 ; v1@138.025,213.094 v1@115.22,213.094
  Bottom Layer w0.508: v1(96.42,146.165) ccw(c96.745,146.49) 96.745,146.03 99.112,146.03 ; 97.385,157.214 cw(c97.436,157.214) 97.436,157.265 99.062,157.265 v1(99.062,148.908) ; v1(99.087,148.222) 99.087,146.091 ccw(c99.174,146.091) 99.112,146.03 ; v1@100.89,190.031 100.89,182.675 ccw(c103.43,182.675) 101.634,180.879 121.795,160.719 ; v1(103.405,183.579) v1(107.952,183.579) ; 109.552,182.893 111.609,182.944 ; 112.016,148.984 112.016,146.03 ; v1(116.689,154.775) v1(116.689,160.871) cw(c116.715,160.871) v1@116.715,160.897 ; v1(117.781,153.632) 117.781,154.688 cw(c120.321,154.688) 118.525,156.485 v1(119.636,157.595) ; v1(118.747,167.729) 118.747,166.332 ccw(c119.61,166.332) v1(119.61,165.469) ; v1@120.321,151.169 120.321,146.03 ; v1(122.861,148.832) ccw(c122.861,148.629) 122.658,148.629 122.658,145.969 ; 142.597,145.969 141.302,145.969 122.658,145.969 ; 99.112,146.03 112.016,146.03 ; 112.016,146.03 113.971,146.03 120.321,146.03 ; 120.321,146.03 cw(c120.235,146.03) 120.296,145.969 122.658,145.969
  Bottom Layer w0.635: 109.552,180.734 109.552,182.893 109.552,208.192 cw(c109.603,208.192) 109.603,208.242
  Bottom Layer w0.762: v1(102.592,170.676) 102.592,167.943 ccw(c105.132,167.943) 103.336,166.147 v1(108.333,161.151) ; v1(102.592,208.242) 109.603,208.242 v1(125.173,208.242) v1(135.587,208.242) 135.587,200.379 cw(c133.047,200.379) 134.843,198.583 130.641,194.381 cw(c128.845,196.177) 128.845,193.637 128.576,193.637 ; v1@104.482,180.709 114.911,180.709 ; v1(134.215,181.776) 134.215,181.623 134.164,181.572 cw(c134.164,180.404) 135.333,180.404 v1@135.333,171.59
  other v1: 121.591,148.629 96.191,157.239 126.087,160.719 129.034,160.77 123.496,160.821 120.55,165.494 135.003,171.565 135.815,171.565 120.042,178.677 130.761,178.931 100.84,190.031 98.223,208.242 99.595,208.242 101.221,208.242 113.286,210.605 126.697,212.941
  other v4: 159.101,214.412

## Polygon pours and split planes (outlines as drawn)
GND on Top Layer "Top Layer-No Net" (hatched 90Degree grid 0.762 track 0.254, remove dead copper, pour order 12): 170.1,218.8 170.1,226.96 cw(c172.64,226.96) 172.64,229.5 173.7,229.5 298.56,229.5 cw(c298.56,226.96) 301.1,226.96 301.1,213.5 301.1,135.74 cw(c298.56,135.74) 298.56,133.2 289.7,133.2 172.74,133.2 cw(c172.74,135.74) 170.2,135.74 170.2,141.4
GND on Bottom Layer "Top Layer-No Net" (hatched 90Degree grid 0.762 track 0.254, remove dead copper, pour order 14): 170,221.9 170,228.2 cw(c170.7,228.2) 170.7,228.9 297.96,228.9 cw(c297.96,226.36) 300.5,226.36 300.5,208.4 300.5,130.04 cw(c297.96,130.04) 297.96,127.5 283.8,127.5 172.54,127.5 cw(c172.54,130.04) 170,130.04 170,142

## Keep-outs
Keep-Out Layer:
  circle w0.254: c159.62,186.688 r6.5
  circle w0.254: c160.112,202.37 r6.5
  circle w0.254: c160.348,218.03 r6.5
  circle w0.254: c295,158 r1.5
  circle w0.254: c295,204 r1.5
  circle w0.254: c207.275,206.25 r1.5
  circle w0.254: c207.475,157.725 r1.5
  lines w0.203: 92.585,144.234 144.274,144.234 ; 92.585,144.336 92.585,218.174 146.61,218.174
  lines w0.254: 144.274,144.234 144.274,189.446 146.61,191.783 146.61,191.961 146.61,218.174 ; 169,136 295.5,136 ccw(c295.5,138.5) 298,138.5 298,224 ccw(c296,224) 296,226 169.5,226 ccw(c169.5,224.5) 168,224.5 168,137.5 ccw(c169.5,137.5) 169.5,136 ; 172.318,156.234 cw(c173.157,156.234) 173.157,157.072 180.828,157.072 cw(c180.828,156.147) 181.753,156.147 ; 172.318,156.259 172.318,139.367 ccw(c173.192,139.367) 173.192,138.494 180.813,138.494 ccw(c180.813,139.434) 181.753,139.434 181.753,156.259 ; 172.49,206.326 172.49,223.151 cw(c173.43,223.151) 173.43,224.091 181.051,224.091 cw(c181.051,223.218) 181.925,223.218 181.925,206.326 ; 172.49,206.438 ccw(c173.415,206.438) 173.415,205.513 181.086,205.513 ccw(c181.086,206.351) 181.925,206.351

## Other copper
Top Layer:
  rectangle: 121.033,160.084 122.684,163.157
  rectangle: 121.947,160.084 131.193,161.684
  rectangle: 99.087,189.65 101.094,190.767
  rectangle: 134.368,171.057 136.273,172.149
  rectangle: 95.531,156.858 98.833,157.671
  rectangle: 98.681,147.79 99.493,150.534
  rectangle: 122.43,148.4 123.242,149.746
  rectangle: 110.238,159.754 118.162,161.557
  rectangle: 93.702,202.324 96.039,209.131
  rectangle: 94.642,202.324 100.205,203.315
  rectangle: 93.651,207.15 103.837,209.208
  rectangle net 5.0V: 284.353,144.424 288.544,148.946
  rectangle net 5.0V: 263.119,190.729 268.148,194.031
  rectangle net NetC6_1: 238.911,170.536 243.153,174.371
  rectangle net NetR9_1: 244.855,173.203 251.332,174.676
  rectangle net GND: 235.279,176.073 243.077,177.165
  rectangle net 12.0V: 267.716,176.378 280.924,178.918
  rectangle net GND: 267.867,170.307 277.773,175.336
  rectangle net NetR13_1: 244.957,187.808 251.383,189.255
  rectangle net NetC11_1: 235.33,187.96 243.356,189.357
  rectangle net NetC11_1: 238.784,185.014 243.128,189.128
  rectangle net GND: 235.965,190.703 243.204,191.973
  rectangle net 5.0V: 268.021,190.729 278.129,193.548
  rectangle net GND: 267.842,184.912 277.8,189.611
  rectangle net NetR4_2: 220.198,187.02 221.544,190.144
  rectangle net NetC6_1: 234.746,173.05 243.179,174.727
  rectangle net 24.0V: 226.416,169.697 229.667,186.69
  rectangle net 24.0V: 214.935,169.697 228.244,172.517
  rectangle net GND: 234.696,190.703 237.896,193.294
  rectangle net GND: 175.819,181.051 182.474,188.747
  rectangle net GND: 194.056,194.056 201.371,198.196
  rectangle net GND: 186.157,206.223 194.412,213.614
  rectangle net GND: 188.671,148.514 193.827,155.169
  rectangle net NetD2_1: 206.4,182.2 216.3,189.9
Bottom Layer:
  rectangle: 121.312,159.957 131.472,161.913
  rectangle: 99.087,189.294 101.068,190.386
  rectangle: 134.368,171.082 136.247,172.149
  rectangle: 119.178,164.859 122.328,165.647
  rectangle: 95.556,156.858 98.249,157.671
  rectangle: 98.655,147.79 99.493,149.467
  rectangle: 122.455,148.4 123.192,149.67
  rectangle: 93.677,207.15 103.837,209.36
  rectangle net IN_24V: 215.113,189.179 223.749,194.767
  rectangle net 5.0V: 263.068,190.754 268.376,194.234
  rectangle net GND: 175.666,181.127 182.397,188.595
  rectangle net GND: 188.443,206.426 194.361,216.6
  rectangle net GND: 188.62,148.361 193.904,155.27

## Silkscreen, mask and mechanical layers (free items; w line width, h text height)
Top Overlay:
  lines w0.254: 161.373,189.307 162.009,188.67 ; 161.56,204.579 162.271,203.868 ; 161.703,189.281 161.703,189.154 ; 161.966,204.529 162.322,204.173 162.322,204.148 ; 162.061,189.335 161.884,189.335 ; 170.2,157.8 173.1,157.8 ; 170.2,171.7 173.1,171.7 ; 170.6,190.7 173.5,190.7 ; 170.6,204.6 173.5,204.6 ; 182.1,136.9 183.6,136.9 185.4,136.9 ; 182.1,137 182.1,153.7 183.3,153.7 185.4,153.7 ; 182.1,140.5 187.5,140.5 ; 182.1,143.6 187.5,143.6 ; 182.1,146.7 187.5,146.7 ; 182.1,150 187.5,150 ; 182.2,208.2 183.7,208.2 185.5,208.2 ; 182.2,208.3 182.2,225 183.4,225 185.5,225 ; 182.2,211.8 187.6,211.8 ; 182.2,214.9 187.6,214.9 ; 182.2,218 187.6,218 ; 182.2,221.3 187.6,221.3 ; 185.3,136.9 187.5,136.9 187.5,153.7 185.4,153.7 ; 185.4,208.2 187.6,208.2 187.6,225 185.5,225 ; 185.7,136.9 185.4,136.9 ; 185.8,208.2 185.5,208.2 ; 195.4,139.2 195.4,146.7 ; 195.4,214.7 195.4,222.2 ; 197.9,214.7 197.9,222.2 ; 198,139.2 198,146.7 ; 200.5,139.216 200.5,146.7 ; 200.6,214.7 200.6,222.2 ; 292,136 292,226 ; 292.785,181.737 297.785,181.737 ; 161.703,189.154 161.884,189.335 ; 161.703,189.154 161.931,188.926 161.931,189.287 161.884,189.335 ; 173.1,157.8 173.1,171.7 ; 173.1,157.8 176,157.8 ; 173.1,157.8 173.1,171.7 ; 173.1,171.7 176,171.7 ; 173.5,190.7 173.5,204.6 ; 173.5,190.7 176.4,190.7 ; 173.5,190.7 173.5,204.6 ; 173.5,204.6 176.4,204.6 ; 176,157.8 178.9,157.8 ; 176,157.8 176,171.7 ; 176,157.8 176,171.7 ; 176,171.7 178.9,171.7 ; 176.4,190.7 176.4,204.6 ; 176.4,190.7 176.4,204.6 ; 176.4,190.7 179.3,190.7 ; 176.4,204.6 179.3,204.6 ; 178.9,157.8 178.9,171.7 ; 178.9,157.8 181.8,157.8 181.8,171.7 178.9,171.7 ; 178.9,157.8 178.9,171.7 ; 179.3,190.7 179.3,204.6 ; 179.3,190.7 182.2,190.7 182.2,204.6 179.3,204.6 ; 179.3,190.7 179.3,204.6 ; 185.4,136.9 185.4,151.6 185.4,153.7 ; 185.4,136.9 185.4,153.7 ; 185.5,208.2 185.5,222.9 185.5,225 ; 185.5,208.2 185.5,225 ; 152.704,145.237 166.704,145.237 166.704,170.237 166.196,170.237 152.704,170.237 152.704,145.237 ; 183.7,136.9 183.7,151.6 183.7,153.7 183.7,136.9 ; 183.8,208.2 183.8,222.9 183.8,225 183.8,208.2
  text "设备" at 184.109,224.8 h1.6 r270
  text "编号" at 185.9,224.6 h1.6 r270
  text "PWM" at 182.4,224.5 h1.8 r270
  text "①" at 193.2,223.1 h2.03
  text "②" at 195.767,223.1 h2.03
  text "③" at 198.333,223.1 h2.03
  text "④" at 200.9,223.1 h2.03
  text "SCL" at 156.059,221.365 h1.02
  text "3.3V" at 158.39,221.365 h1.02
  text "GND" at 160.631,221.365 h1.02
  text "SDA" at 163.349,221.365 h1.02
  text "左上" at 184.17,221.1 h1.6 r270
  text "E11" at 182.4,220.8 h1.7 r270
  text "+3.3V" at 218.695,220.574 h1.52
  text "①" at 185.9,220.4 h1.8 r270
  text "S" at 203.5,220.1 h2.03
  text "+3.3V" at 231.242,220.015 h1.52
  text "+3.3V" at 243.078,219.862 h1.52
  text "NSS(A15)" at 218.694,219.446 h1.52
  text "RX(G9)" at 243.077,218.787 h1.52
  text "D0" at 231.24,218.717 h1.52
  text "SCK(B3)" at 218.694,218.191 h1.52
  text "左中" at 184.1,217.9 h1.6 r270
  text "④24V" at 203.4,217.7 h2.03
  text "D12" at 182.4,217.6 h1.7 r270
  text "TX(G14)" at 243.077,217.585 h1.52
  text "D1" at 231.24,217.413 h1.52
  text "②" at 185.9,217.2 h1.8 r270
  text "MISO(B4)" at 218.694,216.936 h1.52
  text "GND" at 243.077,216.256 h1.52
  text "GND" at 231.24,216.129 h1.52
  text "MOSI(B5)" at 218.694,215.681 h1.52
  text "ROV Master" at 253.8,215.5 h5
  text "-" at 203.5,214.9 h3.05
  text "左上" at 184.147,214.8 h1.6 r270
  text "GND" at 218.694,214.3 h1.52
  text "③" at 185.9,214.2 h1.8 r270
  text "E13" at 182.4,214.1 h1.7 r270
  text "机手" at 184.103,211.4 h1.6 r270
  text "D14" at 182.4,211.3 h1.7 r270
  text "④" at 185.9,210.9 h1.8 r270
  text "↑" at 185.3,207.2 h2.03 r318.81
  text "SCK" at 155.667,205.748 h1.02
  text "3.3V" at 157.997,205.748 h1.02
  text "GND" at 160.239,205.748 h1.02
  text "SDA" at 162.576,205.748 h1.02
  text "12V" at 201.6,203.4 h2.03 r270
  text "12V" at 190.5,203 h2.03
  text "预留接口" at 180,201.6 h2.2 r270
  text "3.3" at 182.6,200.8 h1.52
  text "UART" at 171.2,199.9 h2.2 r270
  text "I2C" at 174.1,199.5 h2.2 r270
  text "SDO" at 182.6,199.5 h1.52
  text "SPI" at 177,199.4 h2.2 r270
  text "SCK" at 182.6,198.3 h1.52
  text "GND" at 201.6,198 h2.03 r270
  text "ROV Master" at 156.708,197.315 h1.52
  text "GND" at 182.6,197 h1.52
  text "↑" at 184.1,194.6 h2.03 r303.69
  text "SCL" at 155.404,190.018 h1.02
  text "3.3V" at 157.734,190.018 h1.02
  text "GND" at 159.976,190.018 h1.02
  text "SDA" at 162.693,190.018 h1.02
  text "↑" at 173,181.6 h2.03 r270
  text "变焦摄像头" at 176.6,169.8 h2.2 r270
  text "预留接口" at 179.6,168.7 h2.2 r270
  text "4路PWM" at 170.8,168.3 h2.2 r270
  text "USB接口" at 173.6,168.2 h2.2 r270
  text "5V" at 190.9,166.6 h2.03
  text "RX" at 160.081,166.426 h1.52 r90
  text "TX" at 158.193,166.391 h1.52 r90
  text "5V" at 201.7,166.4 h2.03 r270
  text "5.0V" at 163.972,166.375 h1.02 r90
  text "GND" at 161.958,166.307 h1.02 r90
  text "3.3V" at 156.623,166.126 h1.02 r90
  text "3.3V" at 182.4,164.3 h1.52
  text "SCL" at 183.1,163 h1.52
  text "GND" at 201.6,162 h2.03 r270
  text "SDA" at 183.1,161.7 h1.52
  text "GND" at 183.1,160.3 h1.52
  text "↑" at 191.5,157.3 h2.03 r48.81
  text "↑" at 186.7,155.5 h2.03 r228.81
  text "设备" at 184.009,153.5 h1.6 r270
  text "编号" at 185.8,153.3 h1.6 r270
  text "PWM" at 182.3,153.2 h1.8 r270
  text "-" at 287.553,152.019 h5.08 r270
  text "RXD" at 157.704,150.827 h1.02 r90
  text "TXD" at 162.252,150.782 h1.02 r90
  text "5.0V" at 154.482,150.68 h1.02 r90
  text "GND" at 164.787,150.533 h1.02 r90
  text "右下" at 184.07,149.8 h1.6 r270
  text "E14" at 182.3,149.5 h1.7 r270
  text "⑤" at 185.8,149.1 h1.8 r270
  text "+5" at 288.544,149.098 h2.54 r270
  text "+" at 290.5,148.4 h2.03 r270
  text "D-" at 160.94,147.998 h1.02 r90
  text "D+" at 158.903,147.976 h1.02 r90
  text "+5.0V" at 243.321,147.441 h1.52
  text "GND" at 156.438,147.423 h1.02 r90
  text "5.0V" at 163.544,147.288 h1.02 r90
  text "右中" at 184,146.6 h1.6 r270
  text "+5" at 288.493,146.355 h2.54 r270
  text "D13" at 182.3,146.3 h1.7 r270
  text "D-" at 243.32,146.18 h1.52
  text "TIM3(B0)" at 218.402,146.12 h1.52
  text "⑥" at 185.8,145.9 h1.8 r270
  text "+" at 290.52,145.9 h2.03 r270
  text "+5.0V" at 231.343,145.872 h1.52
  text "D+" at 243.32,144.93 h1.52
  text "TIM3(B1)" at 218.402,144.824 h1.52
  text "S" at 203.4,144.7 h2.03
  text "D-" at 231.342,144.704 h1.52
  text "GND" at 243.32,143.692 h1.52
  text "TIM10(F6)" at 218.402,143.58 h1.52
  text "右上" at 184.047,143.5 h1.6 r270
  text "D+" at 231.342,143.485 h1.52
  text "⑦" at 185.8,142.9 h1.8 r270
  text "E9" at 182.3,142.8 h1.7 r270
  text "TX(C12)" at 243.2,142.5 h1.52
  text "TIM11(F7)" at 218.402,142.31 h1.52
  text "⑧5V" at 203.4,142.3 h1.52
  text "GND" at 231.342,142.24 h1.52
  text "RX(D2)" at 243.32,141.319 h1.52
  text "云台" at 184.003,140.1 h1.6 r270
  text "D15" at 182.3,140 h1.7 r270
  text "⑧" at 185.8,139.6 h1.8 r270
  text "-" at 203.4,139.4 h3.05
  text "⑤" at 193.1,137.2 h2.03
  text "⑥" at 195.633,137.2 h2.03
  text "⑦" at 198.167,137.2 h2.03
  text "⑧" at 200.7,137.2 h2.03

## Text inside footprints (layer, text, board x,y; h text height)
C6: Top Overlay "+" at 234.568,175.235 h2 r90
C11: Top Overlay "+" at 235.305,189.814 h2 r90
D2: Top Overlay "+" at 205.3,185.3 h5 r270
P12: Top Overlay "V" at 194.256,160.851 h1.27 r270; Top Overlay "V" at 194.256,165.904 h1.27 r270
P13: Top Overlay "V" at 194.305,196.844 h1.27 r270; Top Overlay "V" at 194.305,201.897 h1.27 r270
P14: Top Overlay "+" at 198.006,203.907 h3; Top Overlay "+" at 197.016,205.584 h2.03; Top Overlay "-" at 193.129,205.787 h2.03
P15: Top Overlay "+" at 173.304,177.317 h3 r270; Top Overlay "+" at 174.981,178.308 h2.03 r270; Top Overlay "-" at 175.184,182.194 h2.03 r270
P17: Top Overlay "+" at 197.016,147.396 h2.03; Top Overlay "-" at 193.129,147.599 h2.03
U1: Top Overlay "-" at 265.892,205.296 h3.81; Top Overlay "SCK" at 267.517,205.702 h1.52; Top Overlay "SDO" at 270.261,205.728 h1.52; Top Overlay "F6" at 233.634,157.549 h1.52; Top Overlay "F8" at 236.165,157.549 h1.52; Top Overlay "A9" at 243.761,157.544 h1.52; Top Overlay "B0" at 248.823,157.549 h1.52; Top Overlay "E9" at 251.355,157.549 h1.52; Top Overlay "E11" at 253.886,157.544 h1.52; Top Overlay "E13" at 256.418,157.544 h1.52; Top Overlay "C1" at 238.698,157.544 h1.52; Top Overlay "C3" at 241.23,157.549 h1.52; Top Overlay "C4" at 246.293,157.549 h1.52; Top Overlay "24V" at 233.065,205.774 h1.52; Top Overlay "5V" at 236.301,205.788 h1.52; Top Overlay "BT0" at 233.304,198.896 h1.52; Top Overlay "-" at 236.479,198.335 h3.81; Top Overlay "-" at 238.915,198.335 h3.81; Top Overlay "B5" at 241.355,205.661 h1.52; Top Overlay "B3" at 243.883,205.661 h1.52; Top Overlay "B4" at 241.101,198.755 h1.52; Top Overlay "D2" at 246.355,198.755 h1.52; Top Overlay "D0" at 248.717,198.755 h1.52; Top Overlay "D1" at 248.996,205.647 h1.52; Top Overlay "C12" at 251.079,205.661 h1.52; Top Overlay "D15" at 253.928,205.661 h1.52; Top Overlay "D13" at 256.519,205.661 h1.52; Top Overlay "D12" at 256.646,198.755 h1.52; Top Overlay "D14" at 254.055,198.755 h1.52; Top Overlay "A15" at 251.13,198.769 h1.52; Top Overlay "C5" at 246.361,164.229 h1.52; Top Overlay "C2" at 238.893,164.229 h1.52; Top Overlay "F7" at 233.913,164.244 h1.52; Top Overlay "F9" at 236.402,164.229 h1.52; Top Overlay "A10" at 241.051,164.199 h1.52; Top Overlay "A5" at 243.871,164.244 h1.52; Top Overlay "B1" at 248.848,164.225 h1.52; Top Overlay "E10" at 251.338,164.225 h1.52; Top Overlay "E12" at 253.827,164.225 h1.52; Top Overlay "E14" at 256.316,164.225 h1.52; Top Overlay "G14" at 243.256,198.769 h1.52; Top Overlay "G9" at 246.355,205.661 h1.52; Top Overlay "3.3" at 273.182,205.575 h1.52; Top Overlay "3.3" at 238.612,205.647 h1.52
U3: Bottom Overlay "GND" at 278.587,167.792 h1.52 r270; Bottom Overlay "RST" at 276.481,167.691 h1.52 r270; Bottom Overlay "ETH" at 274.46,167.691 h1.52 r270; Bottom Overlay "PLC" at 272.467,167.691 h1.52 r270; Bottom Overlay "PWR" at 270.447,167.691 h1.52 r270; Bottom Overlay "3.3V" at 268.454,167.691 h1.52 r270; Bottom Overlay "TXP" at 266.434,167.692 h1.52 r270; Bottom Overlay "TXN" at 264.427,167.692 h1.52 r270; Bottom Overlay "RXP" at 262.42,167.691 h1.52 r270; Bottom Overlay "RXN" at 260.414,167.691 h1.52 r270; Bottom Overlay "12V" at 258.507,167.791 h1.52 r270; Bottom Overlay "GND" at 256.515,167.792 h1.52 r270; Bottom Overlay "AC/N" at 278.74,196.113 h1.4 r270; Bottom Overlay "AC/L" at 270.535,196.393 h1.4 r270; Bottom Overlay "NC" at 276.606,197.307 h1.4 r270; Bottom Overlay "NC" at 274.65,197.333 h1.4 r270